# Altium PCB Main_PCB.PcbDoc (part 2 of 2)
Units mm, origin at the board's own origin, x right, y up, seen from the top; angles counter-clockwise.
Board outline 92.5 x 80 mm, 2 copper layers (Top Layer, Bottom Layer), stack 1.57 mm thick; 102 components, 53 nets, 370 pads, 369 vias.
Unrouted connection lines stored in the file: 74.
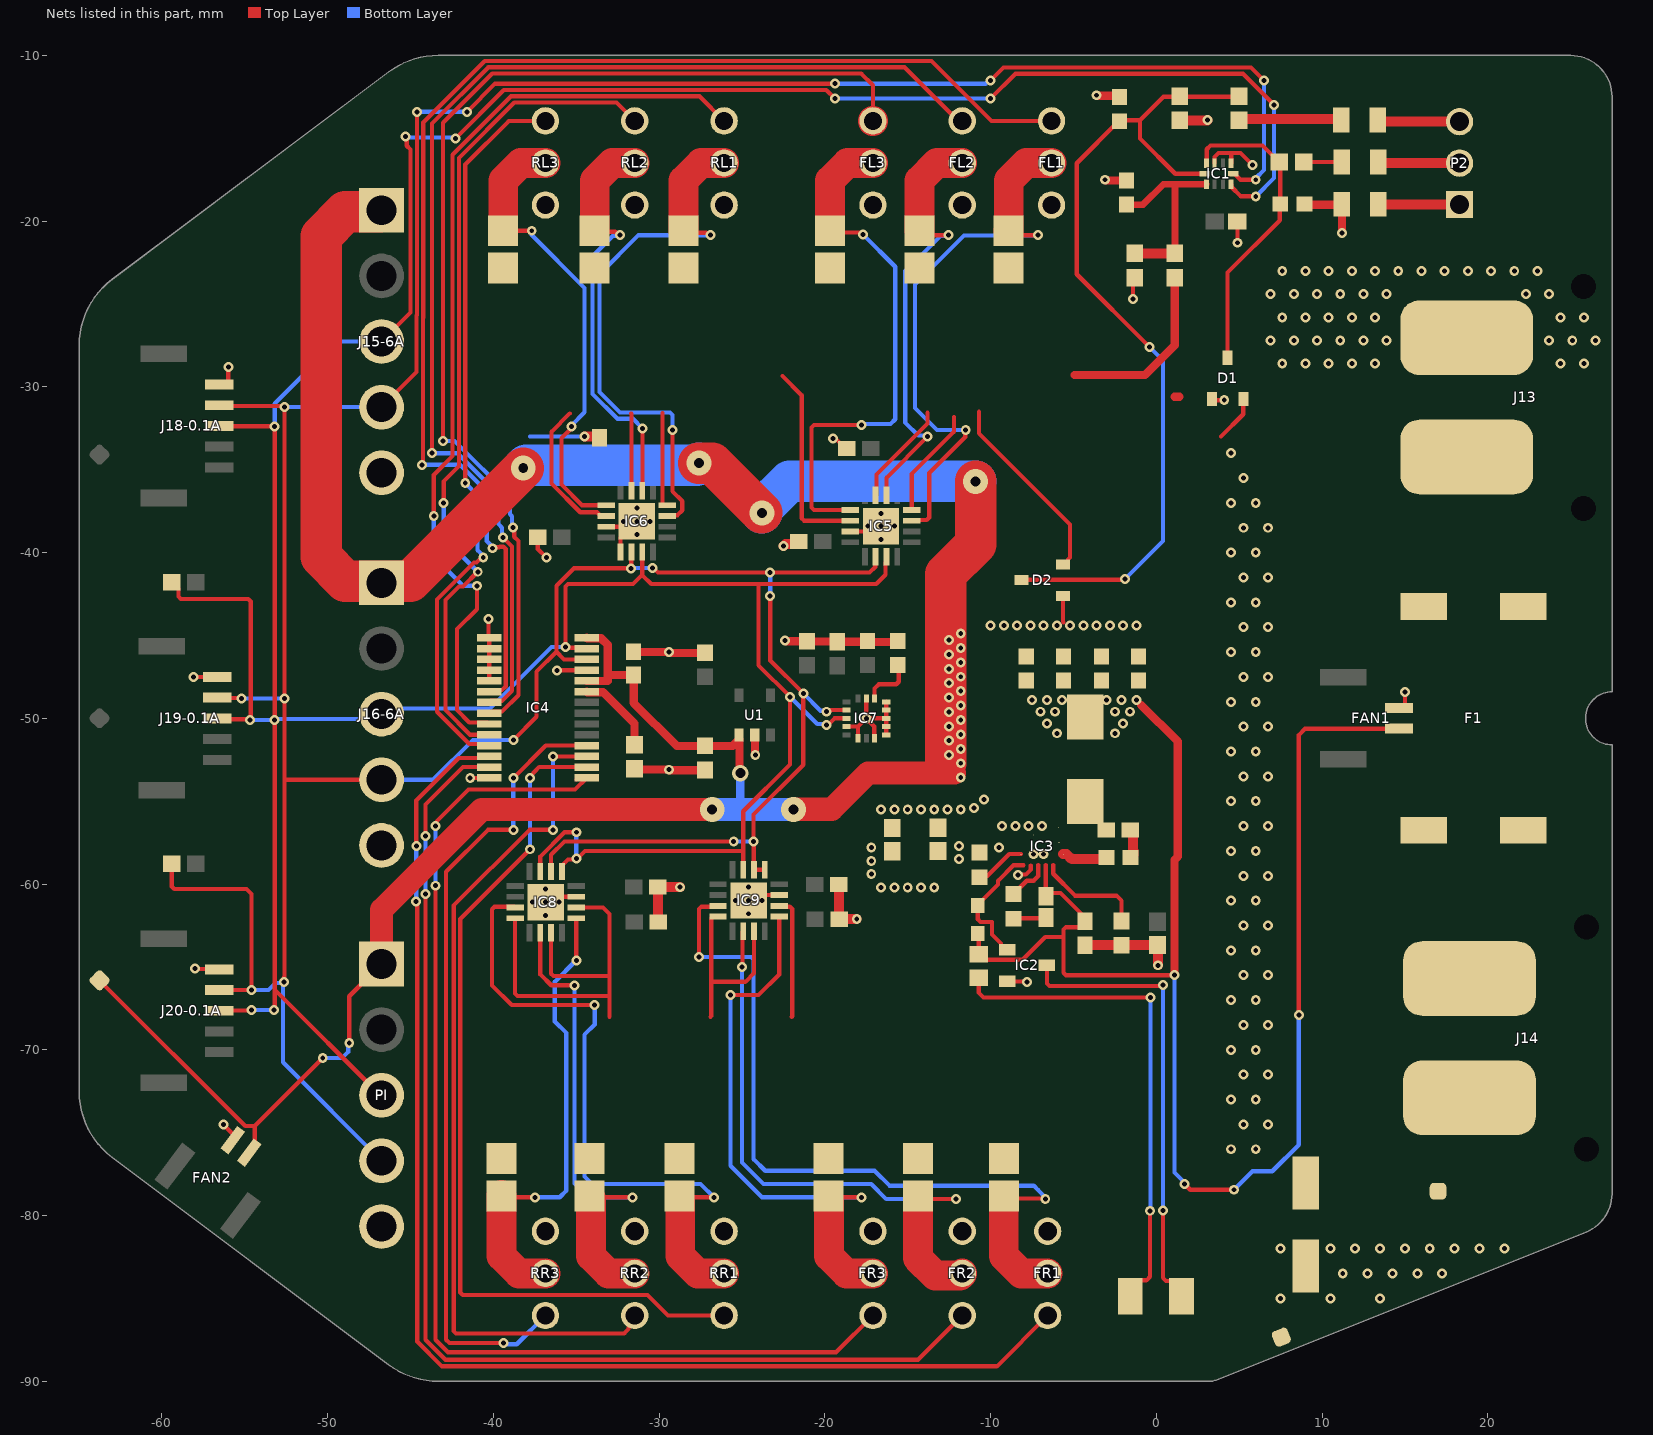
[diagram p2: the nets of this part, all layers, seen from the top]

## Via types
v1: diameter 0.6, hole 0.3, Top Layer to Bottom Layer, 339 vias
v2: diameter 0.6, hole 0.3, Top Layer to Bottom Layer, tented both sides, 23 vias
v3: diameter 1.5, hole 0.6, Top Layer to Bottom Layer, 6 vias
v4: diameter 1, hole 0.6, Top Layer to Bottom Layer, 1 vias

## Nets (pads, with @x,y where several pads share a name; then routed paths per layer and width w, separated by ;. In a path a pad name is that pad's centre, name@x,y a point inside that pad or via, vN(x,y) a via of type N, cw(c..) or ccw(c..) an arc to the next point about the centre after c; other vN are vias at no path point) (continued)
5V_OUT: 5V.1 C1.2 C2.1 C6.2 C7.2 C8.2 C9.2 C17.1 C21.1 FAN1.1 FAN2.1 IC3.10 IC4.24 IC4.28 J15-6A.1 J16-6A.1 L1.1 PI.1 R1.2 R3.2 U1.1 | length 268.4
  Top Layer w0.254: 5V.1@-63.768,-65.812 -54.98,-74.6 -54.4,-74.6 ; FAN2.1@-54.731,-76.206 -54.4,-75.875 -54.4,-74.6 ; v1(-50.3,-70.5) -54.4,-74.6 ; v1(-48.7,-69.6) -48.7,-66.77 PI.1@-46.75,-64.82 ; R3.2@-10.77,-62.99 -10.72,-63.04 R1.2@-10.72,-64.24 -10.396,-64.564 -8.064,-64.564 -6.7,-63.2 -5.6,-63.2 ; -6.671,-58.844 -6.671,-60.512 -6.65,-60.533 -5.777,-60.533 -4.298,-62.012 -4.298,-62.221 -4.677,-62.6 -5.451,-62.6 -5.6,-62.749 -5.6,-63.2 ; C6.2@-1.007,-47.918 C6.2@-1.007,-47.895 ; v1(1.1,-65.5) -5.451,-65.5 -5.6,-65.351 -5.6,-63.2 ; v1(1.7,-78.1) 2.046,-78.446 v1(4.69,-78.446) ; v1(8.6,-67.9) 8.6,-51 8.975,-50.625 FAN1.1@14.641,-50.625
  Top Layer w0.5: IC4.24@-34.371,-47.741 -33.1,-47.741 ; IC4.28@-34.371,-45.141 -34.346,-45.166 -33.5,-45.166 -33.1,-45.566 -33.1,-47.3 ; -33.1,-47.7 -33.1,-47.3 ; U1.1@-25.18,-51.28 -25.563,-51.663 C21.1@-27.239,-51.663 -28.937,-51.663 -31.538,-49.062 C17.1@-31.538,-47.386 -33.014,-47.386 -33.1,-47.3 ; U1.1@-25.155,-51.28 -25.155,-53.245 v4(-25.1,-53.3) ; v1@-12.546,-50.499 v1@-12.533,-50.486 ; -0.911,-49.189 1.3,-51.4 1.3,-58.336 1.1,-58.536 v1(1.1,-65.5)
  Top Layer w1.4: PI.1@-46.75,-64.82 -46.75,-61.55 -40.7,-55.5 v3(-26.8,-55.5) ; v3(-21.9,-55.5) -21.881,-55.481 -19.581,-55.481 -17.4,-53.3 -12.174,-53.3
  Top Layer w2.5: J15-6A.1@-46.75,-19.34 -46.85,-19.44 -48.936,-19.44 -50.4,-20.904 -50.4,-40.261 -48.936,-41.725 -46.85,-41.725 J16-6A.1@-46.75,-41.825 -46.65,-41.725 -45.025,-41.725 v3(-38.2,-34.9) ; v3(-27.6,-34.6) -26.8,-34.6 v3(-23.8,-37.6) ; -12.7,-52.7 -12.7,-41.29 -10.9,-39.49 v3(-10.9,-35.7)
  Bottom Layer w0.254: v1(-50.3,-70.5) -49.141,-70.5 -48.766,-70.125 -48.766,-69.666 v1(-48.7,-69.6) ; v1(1.1,-65.5) 1.1,-77.406 1.7,-78.006 v1(1.7,-78.1) ; v1(4.69,-78.446) 5.806,-77.33 6.996,-77.33 8.6,-75.726 v1(8.6,-67.9)
  Bottom Layer w0.5: -25.1,-55.5 v4(-25.1,-53.3)
  Bottom Layer w1.4: v3(-26.8,-55.5) -25.1,-55.5 v3(-21.9,-55.5)
  Bottom Layer w2.5: v3(-38.2,-34.9) -38.023,-34.723 -27.723,-34.723 v3(-27.6,-34.6) ; v3(-23.8,-37.6) -23.8,-37.364 -22.136,-35.7 v3(-10.9,-35.7)
  other v1: -11.8,-53.58 -11.8,-52.71 -12.5,-52.213 -11.8,-51.84 -12.5,-51.347 -11.8,-50.97 -6,-50.9 -2.5,-50.9 -12.5,-50.48 -6.6,-50.3 -2,-50.3 -11.8,-50.1 -12.5,-49.613 -7,-49.6 -6.1,-49.6 -2.5,-49.6 -1.6,-49.6 -11.8,-49.23 -7.5,-48.9 -6.6,-48.9 -5.7,-48.9 -3,-48.9 -2.1,-48.9 -1.2,-48.9 -12.5,-48.747 -11.8,-48.36 -12.5,-47.88 -11.8,-47.49 -12.5,-47.013 -11.8,-46.62 -12.5,-46.147 -11.8,-45.75 -12.5,-45.28 -11.8,-44.88
ADC_Batt_Cell1: C10.1 D1.3 IC1.4 R18.2 | length 18.9
  Top Layer w0.254: IC1.4@3.02,-16.5 3.043,-16.477 3.043,-15.657 3.271,-15.429 6.407,-15.429 7.408,-16.43 R18.2@7.432,-16.43 ; D1.3@4.299,-28.239 4.299,-23.101 7.455,-19.945 C10.1@7.455,-18.969 ; C10.1@7.427,-18.969 7.475,-18.921 R18.2@7.475,-16.43
ADC_Batt_Cell2: C11.1 D2.3 IC1.5 R23.1 R25.1 | length 51.9
  Top Layer w0.254: D2.3@-8.125,-41.66 -8.095,-41.63 -1.93,-41.63 v1(-1.9,-41.6) ; v1(-0.4,-27.6) -4.8,-23.2 -4.8,-16.5 -2.21,-13.91 -2.21,-13.887 -2.186,-13.911 -0.99,-13.911 ; IC1.5@2.91,-17.14 1.14,-17.14 -0.99,-15.01 -0.99,-13.911 ; R23.1@4.98,-12.58 4.89,-12.49 1.414,-12.49 0.431,-12.49 -0.99,-13.911
  Bottom Layer w0.254: v1(-1.9,-41.6) 0.4,-39.3 0.4,-28.4 v1(-0.4,-27.6)
ADC_Batt_Overall: C12.1 IC1.6 R22.1 R24.1 | length 11.9
  Top Layer w0.4: C12.1@-1.79,-18.997 -0.797,-18.997 0.42,-17.78 1.13,-17.78 ; R22.1@1.11,-21.949 1.13,-21.929 1.13,-17.78 ; IC1.6@3.02,-17.78 1.13,-17.78
  Top Layer w0.6: R24.1@-1.3,-21.949 R22.1@1.11,-21.949
CurrMon_1-: FL1.2 IC5.11 R2.1 | length 35.6
  Top Layer w0.254: IC5.11@-14.762,-38.071 -14.714,-38.023 -13.849,-38.023 -13.7,-37.874 -13.7,-35.2 -11.528,-33.028 -11.528,-32.628 v1(-11.5,-32.6) ; R2.1@-8.872,-20.843 v1(-7.152,-20.843) ; FL1.2@-7.013,-16.273 -6.534,-16.273 FL1.2@-6.321,-16.487
  Top Layer w1.8: R2.1@-8.91,-20.58 -8.907,-20.577 -8.907,-17.541 -7.852,-16.487 FL1.2@-6.321,-16.487
  Bottom Layer w0.254: v1(-11.5,-32.6) -13.231,-32.6 -14.554,-31.277 -14.554,-23.814 -11.598,-20.858 v1@-7.164,-20.858
CurrMon_2-: FL2.2 IC5.14 R4.1 | length 26.6
  Top Layer w0.254: IC5.14@-16.287,-36.546 -16.287,-35.487 v1(-13.8,-33) ; R4.1@-14.26,-20.844 v1(-12.54,-20.844)
  Top Layer w1.8: R4.1@-14.3,-20.58 -14.297,-20.577 -14.297,-17.541 -13.242,-16.487 FL2.2@-11.71,-16.487
  Bottom Layer w0.254: v1(-13.8,-33) -13.866,-32.934 -14.366,-32.934 -15.154,-32.146 -15.154,-23.014 -13.029,-20.889 -12.641,-20.889 v1@-12.607,-20.855
CurrMon_3-: FL3.2 IC5.1 R5.1 | length 32.6
  Top Layer w0.254: R5.1@-19.687,-20.58 -19.593,-20.674 -17.92,-20.674 -17.794,-20.8 v1(-17.7,-20.8) ; IC5.1@-18.462,-37.421 -20.651,-37.421 -20.8,-37.272 -20.8,-32.449 -20.651,-32.3 v1(-17.8,-32.3)
  Top Layer w1.8: R5.1@-19.687,-20.58 -19.684,-20.577 -19.684,-17.541 -18.629,-16.487 FL3.2@-17.1,-16.487
  Bottom Layer w0.254: v1(-17.8,-32.3) -17.734,-32.234 -16.034,-32.234 -15.754,-31.954 -15.754,-22.746 v1(-17.7,-20.8)
CurrMon_4-: IC6.11 R6.1 RL1.2 | length 34.5
  Top Layer w0.254: IC6.11@-29.501,-37.788 -29.453,-37.74 -28.9,-37.74 -28.6,-37.44 -28.6,-36.9 -29.2,-36.3 v1@-29.2,-32.606 ; R6.1@-28.54,-20.58 -28.427,-20.693 -27.155,-20.693 -27.004,-20.844 v1(-26.91,-20.844)
  Top Layer w1.8: R6.1@-28.54,-20.58 -28.537,-20.577 -28.537,-17.541 -27.482,-16.487 RL1.2@-26.081,-16.487
  Bottom Layer w0.254: v1(-29.2,-32.6) -29.2,-31.687 -29.349,-31.538 -32.362,-31.538 -33.6,-30.3 -33.6,-23.2 -31.244,-20.844 v1(-26.91,-20.844)
CurrMon_5-: IC6.14 R7.1 RL2.2 | length 25.7
  Top Layer w0.254: R7.1@-33.89,-20.58 -33.83,-20.64 -32.648,-20.64 -32.447,-20.841 v1(-32.353,-20.841) ; IC6.14@-31.026,-36.263 -31.013,-36.25 -31.013,-32.513 v1(-31,-32.5)
  Top Layer w1.8: R7.1@-33.89,-20.58 -33.887,-20.577 -33.887,-17.541 -32.832,-16.487 RL2.2@-31.47,-16.487
  Bottom Layer w0.254: v1(-32.353,-20.841) -32.387,-20.875 -32.775,-20.875 -34.019,-22.119 -34.019,-30.42 -32.52,-31.919 -31.581,-31.919 v1(-31,-32.5)
CurrMon_6-: IC6.1 R8.1 RL3.2 | length 27.9
  Top Layer w0.254: R8.1@-39.407,-20.577 v1(-37.687,-20.577) ; v1(-35.3,-32.4) -35.3,-32.494 -35.9,-33.094 -35.9,-35.889 -34.651,-37.138 IC6.1@-33.201,-37.138
  Top Layer w1.8: R8.1@-39.41,-20.58 R8.1@-39.407,-20.577 ; R8.1@-39.407,-20.553 -39.407,-17.541 -38.352,-16.487 RL3.2@-36.86,-16.487
  Bottom Layer w0.254: v1@-37.687,-20.841 -34.5,-24.028 -34.5,-31.526 -35.3,-32.326 v1(-35.3,-32.4)
CurrMon_7-: FR1.2 IC9.11 R9.1 | length 47.2
  Top Layer w0.254: v1(-27.6,-64.4) -27.6,-61.512 -27.451,-61.363 -26.498,-61.363 IC9.11@-26.45,-61.315 ; R9.1@-8.997,-78.978 -6.722,-78.978 v1(-6.7,-79)
  Top Layer w1.8: R9.1@-9.203,-78.843 -9.203,-82.439 -8.148,-83.493 FR1.2@-6.556,-83.493
  Bottom Layer w0.254: v1(-27.6,-64.4) -24.449,-64.4 -24.3,-64.549 -24.3,-76.6 -23.6,-77.3 -17,-77.3 -16.1,-78.2 -7.394,-78.2 -7.114,-78.48 -7.114,-78.492 -6.7,-78.906 v1(-6.7,-79)
CurrMon_8-: FR2.2 IC9.14 R10.1 | length 36.9
  Top Layer w0.254: v1(-25,-65) -24.962,-64.962 -24.962,-62.878 IC9.14@-24.925,-62.84 ; R10.1@-14.206,-78.968 -14.174,-79 v1(-12.1,-79)
  Top Layer w1.8: R10.1@-14.39,-78.816 -14.39,-82.573 -13.336,-83.627 -11.844,-83.627 FR2.2@-11.71,-83.493
  Bottom Layer w0.254: v1(-25,-65) -25,-76.8 -23.7,-78.1 -17.2,-78.1 -16.3,-79 v1(-12.1,-79)
CurrMon_9-: FR3.2 IC9.1 R11.1 | length 34.3
  Top Layer w0.254: v1(-25.7,-66.7) -24,-66.7 -22.75,-65.45 IC9.1@-22.75,-61.965 ; R11.1@-19.582,-78.992 -19.491,-78.9 v1(-17.8,-78.9)
  Top Layer w1.8: R11.1@-19.747,-79.001 -19.747,-82.439 -18.692,-83.493 FR3.2@-17.1,-83.493
  Bottom Layer w0.254: v1(-25.7,-66.7) -25.7,-77 -23.8,-78.9 v1(-17.8,-78.9)
CurrMon_10-: IC8.11 R12.1 RR1.2 | length 40
  Top Layer w0.254: IC8.11@-38.743,-61.367 -39.933,-61.367 -40.081,-61.516 -40.081,-66.119 -38.898,-67.302 v1(-33.9,-67.302) ; R12.1@-28.576,-78.968 -28.508,-78.9 v1(-26.7,-78.9)
  Top Layer w1.8: R12.1@-28.727,-79.001 -28.727,-82.439 -27.673,-83.493 RR1.2@-26.081,-83.493
  Bottom Layer w0.254: v1(-33.9,-67.302) -33.887,-67.315 -33.887,-68.474 -34.5,-69.087 -34.5,-77.654 -34.054,-78.1 -27.5,-78.1 v1(-26.7,-78.9)
CurrMon_11-: IC8.14 R13.1 RR2.2 | length 29.6
  Top Layer w0.254: IC8.14@-37.17,-62.94 -37.17,-65.452 -36.514,-66.108 v1(-35.1,-66.108) ; R13.1@-34.034,-78.941 -33.993,-78.9 v1(-31.6,-78.9)
  Top Layer w1.8: R13.1@-34.117,-79.001 -34.117,-82.439 -33.063,-83.493 RR2.2@-31.47,-83.493
  Bottom Layer w0.254: v1(-35.1,-66.108) -35.1,-78.066 -34.266,-78.9 v1(-31.6,-78.9)
CurrMon_12-: IC8.1 R14.1 RR3.2 | length 28.3
  Top Layer w0.254: R14.1@-39.507,-79.001 -39.294,-79.001 -39.193,-78.9 v1(-37.5,-78.9) ; v1(-35,-64.6) -35,-62.07 IC8.1@-34.995,-62.065
  Top Layer w1.8: R14.1@-39.51,-78.76 -39.507,-78.763 R14.1@-39.507,-79.001 ; R14.1@-39.507,-78.843 -39.507,-82.439 -38.452,-83.493 RR3.2@-36.86,-83.493
  Bottom Layer w0.254: v1(-37.5,-78.9) -36,-78.9 -35.6,-78.5 -35.6,-68.987 -36.3,-68.287 -36.3,-65.9 v1(-35,-64.6)
GND: C2.2 C3.2 C4.1 C5.1 C6.1 C7.1 C8.1 C9.1 C10.2 C11.2 C12.2 C14.2 C15.2 C16.1 C17.2 C18.1 C19.2 C20.1 C21.2 C22.1 C23.1 C24.1 C25.2 C26.2 C27.1 C28.2 C29.1 C30.1 C31.1 D1.1 D2.1 F2.2 FAN1.2 FAN2.2 FL1.3 FL2.3 FL3.3 FR1.3 FR2.3 FR3.3 GND_TP.1 IC1.1 IC1.3 IC2.2 IC3.4 IC3.8 IC4.1 IC4.2 IC4.3 IC4.4 IC4.5 IC4.14 IC4.25 IC5.3 IC5.17 IC6.3 IC6.5 IC6.17 IC7.4 IC7.6 IC7.8 IC7.9 IC7.10 IC7.11 IC7.12 IC7.13 IC7.15 IC8.3 IC8.17 IC9.3 IC9.17 J13.- J15-6A.5 J16-6A.5 J18-0.1A.5 J19-0.1A.5 J20-0.1A.5 PI.5 R21.2 R24.2 R25.2 RL1.3 RL2.3 RL3.3 RR1.3 RR2.3 RR3.3 U1.2 | length 86.3
  Top Layer w0.127: C5.1@0.071,-63.68 C5.1@0.1,-63.709
  Top Layer w0.254: v1(-58.1,-47.5) J19-0.1A.5@-56.665,-47.5 ; v1(-58,-65.1) -57.978,-65.122 -56.573,-65.122 J20-0.1A.5@-56.55,-65.145 ; J18-0.1A.5@-56.55,-29.855 -56.173,-29.855 -56,-29.682 v1(-56,-28.8) ; v1(-56.3,-74.5) -55.73,-75.07 FAN2.2@-55.73,-75.454 ; v1(-41.4,-53.6) -41.396,-53.596 -40.251,-53.596 IC4.14@-40.247,-53.591 ; v1(-40.3,-44) -40.3,-45.088 IC4.1@-40.247,-45.141 IC4.2@-40.247,-45.791 IC4.3@-40.247,-46.441 IC4.4@-40.247,-47.091 IC4.5@-40.247,-47.741 ; C20.1@-37.326,-39.075 -37.326,-39.774 v1(-36.8,-40.3) ; v2(-36.845,-61.09) -36.52,-60.765 IC8.3@-34.995,-60.765 ; v1(-36.154,-47.1) -36.15,-47.096 -34.375,-47.096 IC4.25@-34.371,-47.091 ; IC6.3@-33.201,-38.438 IC6.17@-32.324,-38.438 ; IC6.5@-32.326,-39.963 -32.324,-39.961 -32.324,-39.086 -31.676,-38.438 IC6.17@-32.151,-38.438 ; IC6.17@-32.151,-38.265 v2(-32.151,-38.113) ; v2(-24.6,-60.99) -24.275,-60.665 IC9.3@-22.75,-60.665 ; v1(-19.5,-33.1) -19.434,-33.166 -19.301,-33.166 -18.757,-33.71 C18.1@-18.685,-33.71 ; IC7.4@-18.7,-50.5 -18,-50.5 ; IC5.3@-18.462,-38.721 IC5.17@-17.585,-38.721 ; IC7.6@-18,-51.2 -18,-50.5 ; IC7.15@-17.5,-48.8 v1(-17.5,-50) ; IC7.8@-17,-51.2 -17.023,-51.177 -17.023,-50.486 -17.5,-50.009 v1(-17.5,-50) ; IC7.9@-16.3,-51 IC7.11@-16.3,-50 ; IC7.13@-16.3,-49 IC7.11@-16.3,-50 ; IC2.2@-9,-65.86 -8.98,-65.88 -7.82,-65.88 v1(-7.8,-65.9) ; v1(-8.334,-59.457) -8.292,-59.415 -7.873,-59.415 -7.572,-59.114 -7.572,-58.88 ; D2.1@-5.625,-42.61 -5.625,-44.175 -5.6,-44.2 ; v1(-1.4,-24.7) -1.4,-23.5 R24.2@-1.3,-23.4 ; D1.1@3.349,-30.739 3.41,-30.8 v1(4.1,-30.8) ; IC1.3@3.52,-16.5 3.52,-16.123 3.76,-15.883 4.52,-15.883 ; IC1.1@4.52,-16.5 4.52,-15.883 ; C4.1@4.876,-20.025 4.9,-20.049 v1(4.9,-21.3) ; v1(5.8,-16.6) 5.083,-15.883 4.52,-15.883 ; FAN1.2@14.641,-49.375 14.827,-49.375 15,-49.202 v1(15,-48.4) ; -18,-50.5 v1(-17.5,-50) ; v1(-17.5,-50) IC7.11@-16.3,-50
  Top Layer w0.5: C17.2@-31.538,-45.982 -31.529,-45.991 -29.409,-45.991 v1(-29.4,-46) ; R21.2@-31.491,-53.038 -31.448,-53.081 -29.419,-53.081 v1(-29.4,-53.1) ; v1@-29.45,-46.058 -27.263,-46.058 C19.2@-27.239,-46.035 ; v1@-29.379,-53.126 -27.251,-53.126 C21.2@-27.239,-53.114 ; U1.2@-24.23,-51 -24.215,-51.015 -24.215,-52.185 v1(-24.2,-52.2) ; v1(-22.4,-45.3) -22.373,-45.3 -22.327,-45.346 -21.303,-45.346 -21.279,-45.37 -21.074,-45.37 C28.2@-21.063,-45.358 ; -21.563,-45.358 -19.331,-45.358 -19.319,-45.347 -19.296,-45.369 -17.063,-45.369 -17.04,-45.392 C24.1@-15.6,-45.392 ; v1(-3.6,-12.4) -3.573,-12.4 -3.54,-12.433 C11.2@-2.21,-12.433 ; v1(-3.1,-17.5) -3.073,-17.5 -3.03,-17.543 C12.2@-1.79,-17.543 ; C10.2@8.88,-19 11.175,-19 F2.2@11.2,-18.975 v1(11.2,-20.7)
  Top Layer w0.6: v1(-34.5,-33) -33.756,-33 -33.682,-33.075 C23.1@-33.6,-33.075 ; C30.1@-30.039,-62.29 C30.1@-30.049,-62.3 -30.071,-62.278 -30.071,-60.208 C27.1@-30.092,-60.186 -28.743,-60.186 v1(-28.739,-60.19) ; v1(-22.5,-39.6) -22.373,-39.473 -21.813,-39.473 -21.673,-39.333 C22.1@-21.673,-39.3 ; C31.1@-19.159,-60.026 -19.152,-60.033 -19.152,-62.113 C29.1@-19.145,-62.12 v2(-18.077,-62.12) ; C2.2@-4.298,-63.685 C3.2@-2.106,-63.685 ; C3.2@-2.106,-63.685 -2.1,-63.68 C5.1@0.071,-63.68 ; v1(0.1,-64.9) C5.1@0.1,-63.709 ; R25.2@1.414,-13.921 3.079,-13.921 v1(3.1,-13.9)
  Bottom Layer w0.254: -37.8,-33 v1(-34.5,-33)
  other v1: 7.5,-85 10.5,-85 13.5,-85 11.25,-83.5 12.75,-83.5 14.25,-83.5 15.75,-83.5 17.25,-83.5 7.5,-82 10.5,-82 12,-82 13.5,-82 15,-82 16.5,-82 18,-82 19.5,-82 21,-82 -9.3,-56.5 -8.5,-56.5 -7.7,-56.5 -6.9,-56.5 -16.6,-55.5 -15.8,-55.5 -15,-55.5 -14.2,-55.5 -13.4,-55.5 -12.6,-55.5 -11.8,-55.5 -11,-55.4 -10.4,-54.9 -10,-44.4 -9.2,-44.4 -8.4,-44.4 -7.6,-44.4 -6.8,-44.4 -6,-44.4 -5.2,-44.4 -4.4,-44.4 -3.6,-44.4 -2.8,-44.4 -2,-44.4 -1.2,-44.4 7.6,-28.6 9,-28.6 10.4,-28.6 11.8,-28.6 13.2,-28.6 24.4,-28.6 25.8,-28.6 6.9,-27.2 8.3,-27.2 9.7,-27.2 11.1,-27.2 12.5,-27.2 13.9,-27.2 23.7,-27.2 25.1,-27.2 26.5,-27.2 7.6,-25.8 9,-25.8 10.4,-25.8 11.8,-25.8 13.2,-25.8 24.4,-25.8 25.8,-25.8 6.9,-24.4 8.3,-24.4 9.7,-24.4 11.1,-24.4 12.5,-24.4 13.9,-24.4 22.3,-24.4 23.7,-24.4 7.6,-23 9,-23 10.4,-23 11.8,-23 13.2,-23 14.6,-23 16,-23 17.4,-23 18.8,-23 20.2,-23 21.6,-23 23,-23
  other v2: -36.845,-61.89 -24.6,-61.79 -37.645,-61.09 -36.045,-61.09 -25.4,-60.99 -23.8,-60.99 -36.845,-60.29 -24.6,-60.19 -16.612,-39.196 -31.351,-38.913 -17.412,-38.396 -16.612,-38.396 -15.812,-38.396 -31.351,-38.113 -30.551,-38.113 -16.612,-37.627 -31.351,-37.313
I2C_SCL: IC1.10 IC4.26 IC5.6 IC6.6 IC7.2 IC8.6 IC9.5 IC9.6 J15-6A.4 J16-6A.4 J18-0.1A.4 J19-0.1A.4 J20-0.1A.4 PI.4 R26.1 | length 243.3
  Top Layer w0.254: R26.1@-59.412,-58.783 -59.412,-60.151 -59.263,-60.3 -54.9,-60.3 -54.6,-60.6 v1(-54.6,-66.4) -54.602,-66.397 -56.548,-66.397 J20-0.1A.4@-56.55,-66.395 ; J19-0.1A.4@-56.665,-48.75 -56.64,-48.775 -55.225,-48.775 v1(-55.2,-48.8) ; J18-0.1A.4@-56.55,-31.105 -56.503,-31.153 -52.647,-31.153 v1(-52.6,-31.2) v1(-52.6,-48.8) -52.6,-53.7 ; v1(-52.646,-65.9) -52.634,-65.888 -52.634,-65.612 -52.6,-65.578 -52.6,-53.7 ; J16-6A.4@-46.75,-53.705 -52.595,-53.705 -52.6,-53.7 ; J15-6A.4@-46.75,-31.22 -44.635,-29.105 -44.635,-25.684 -44.619,-25.668 -44.619,-13.419 v1(-44.6,-13.4) ; v1(-41.6,-13.4) -39.9,-11.7 v1(-19.4,-11.7) ; v1(-38.8,-51.3) -37.4,-49.9 -37.4,-47.183 -36.2,-45.983 ; IC8.6@-36.52,-59.24 -36.52,-58.227 -35.72,-57.427 v1(-25.5,-57.427) ; IC4.26@-34.371,-46.441 -35.742,-46.441 -36.2,-45.983 ; v1(-31.7,-40.946) -35.146,-40.946 -36.2,-42 -36.2,-45.983 ; v1@-31.688,-40.946 -31.688,-39.975 IC6.6@-31.676,-39.963 ; v1(-30.4,-40.915) -30.36,-40.915 -30.074,-41.2 v1(-23.3,-41.2) -17.3,-41.2 -16.962,-40.862 -16.962,-40.271 IC5.6@-16.937,-40.246 ; v1(-24.3,-57.427) -24.3,-55.8 -21.3,-52.8 v1(-21.3,-48.5) -23.298,-46.502 v1(-23.298,-42.613) ; v1@-24.287,-57.427 -24.287,-59.128 IC9.6@-24.275,-59.14 IC9.5@-23.625,-59.14 ; v1(-19.9,-49.6) -19.819,-49.6 -19.719,-49.5 IC7.2@-18.7,-49.5 ; v1(-10,-11.5) -9.219,-10.719 5.719,-10.719 v1(6.5,-11.5) ; IC1.10@4.63,-17.14 4.72,-17.14 5.08,-17.5 v1(6,-17.5)
  Bottom Layer w0.254: v1(-55.2,-48.8) v1(-52.6,-48.8) ; v1(-54.6,-66.4) -53.571,-66.4 -53.137,-65.966 -52.712,-65.966 v1(-52.646,-65.9) ; v1@-52.7,-65.9 -52.7,-70.75 PI.4@-46.75,-76.7 ; v1(-52.6,-31.2) -52.58,-31.22 J15-6A.4@-46.75,-31.22 ; J16-6A.4@-46.753,-53.702 J16-6A.4@-46.75,-53.705 -43.643,-53.705 -41.238,-51.3 v1(-38.8,-51.3) ; v1(-44.6,-13.4) v1(-41.6,-13.4) ; v1(-31.7,-40.946) -31.684,-40.93 -30.416,-40.93 v1(-30.4,-40.915) ; v1(-25.5,-57.427) v1(-24.3,-57.427) ; v1(-23.3,-41.2) -23.299,-41.201 v1(-23.298,-42.613) v1(-23.298,-42.613) ; v1(-21.3,-48.5) -20.257,-49.543 -19.957,-49.543 v1(-19.9,-49.6) ; v1(-19.4,-11.7) -10.294,-11.7 -10.094,-11.5 v1(-10,-11.5) ; v1(6,-17.5) 6,-17.406 6.5,-16.906 v1(6.5,-11.5)
I2C_SDA: IC1.9 IC4.27 IC5.7 IC6.7 IC7.3 IC8.5 IC8.7 IC9.7 J15-6A.3 J16-6A.3 J18-0.1A.3 J19-0.1A.3 J20-0.1A.3 PI.3 R27.1 | length 239.8
  Top Layer w0.254: R27.1@-59.412,-41.792 -59.387,-41.792 -59.011,-42.168 -59.011,-42.651 -58.863,-42.8 -54.795,-42.8 -54.646,-42.949 -54.646,-50.046 v1(-54.7,-50.1) -54.75,-50.05 -56.615,-50.05 J19-0.1A.3@-56.665,-50 ; J20-0.1A.3@-56.55,-67.645 -56.527,-67.622 -54.622,-67.622 v1(-54.6,-67.6) ; J18-0.1A.3@-56.55,-32.355 -56.528,-32.378 -53.222,-32.378 v1(-53.2,-32.4) v1(-53.2,-50.1) -53.2,-66.367 ; v1(-53.254,-67.6) -53.2,-67.546 -53.2,-66.367 ; PI.3@-46.75,-72.74 -46.827,-72.74 -53.2,-66.367 ; J15-6A.3@-46.75,-27.26 -45,-25.51 -45,-15.678 -45.234,-15.444 -45.234,-14.966 v1(-45.3,-14.9) ; v1(-42.3,-15) -39.381,-12.081 -19.919,-12.081 v1(-19.4,-12.6) ; IC8.7@-37.17,-59.24 -37.17,-58.339 -35.704,-56.873 v1(-35,-56.873) ; IC8.5@-35.87,-59.24 -35.822,-59.192 -35.822,-58.842 -35.5,-58.52 -35.066,-58.52 v1(-35,-58.454) -34.932,-58.454 -34.478,-58 -24.925,-58 ; v1@-35.654,-45.746 -34.416,-45.746 IC4.27@-34.371,-45.791 ; v1(-35.646,-45.7) -35.646,-42.049 -35.497,-41.9 -31.574,-41.9 -31.026,-41.351 ; IC6.7@-31.026,-39.963 -31.026,-41.351 ; IC9.7@-24.925,-59.14 -24.925,-58 ; v1(-22.114,-48.714) -22.114,-48.686 -24,-46.8 -24,-41.9 ; v1@-22.1,-48.714 -22.1,-52.779 -24.925,-55.604 -24.925,-58 ; v1(-19.9,-50.4) -19.819,-50.4 -19.419,-50 IC7.3@-18.7,-50 ; IC5.7@-16.335,-40.596 -16.335,-41.335 -16.9,-41.9 -24,-41.9 ; v1(-10,-12.6) -8.5,-11.1 5.223,-11.1 7.1,-12.977 v1(7.1,-13) ; IC1.9@4.52,-17.78 4.52,-17.92 5.1,-18.5 v1(6,-18.5) ; -31.026,-41.351 -30.477,-41.9 -24,-41.9
  Bottom Layer w0.254: v1(-54.7,-50.1) v1(-53.2,-50.1) -53.134,-50.034 -47.039,-50.034 -46.405,-49.4 -40.2,-49.4 -36.5,-45.7 v1(-35.646,-45.7) ; v1(-54.6,-67.6) v1(-53.254,-67.6) ; v1(-53.2,-32.4) -53.2,-31.017 -49.443,-27.26 J15-6A.3@-46.75,-27.26 ; v1(-45.3,-14.9) -45.25,-14.95 -42.35,-14.95 v1(-42.3,-15) ; v1(-35,-58.454) v1(-35,-56.873) ; v1(-22.114,-48.714) -22.086,-48.714 -20.457,-50.343 -19.957,-50.343 v1(-19.9,-50.4) ; v1(-19.4,-12.6) v1(-10,-12.6) ; v1(6,-18.5) 7.1,-17.4 v1(7.1,-13)
NetC1_1: C1.1 R15.2 | length 2
  Top Layer w0.254: R15.2@-8.612,-62.066 -6.803,-62.066 C1.1@-6.65,-61.914
NetC3_1: C3.1 IC3.11 | length 6.5
  Top Layer w0.254: -6.221,-58.844 -6.221,-59.379 -4.9,-60.7 -2.4,-60.7 -2.1,-61 -2.1,-62.128 C3.1@-2.106,-62.134
NetC13_1: C13.1 R16.1 | length 1.9
  Top Layer w0.6: C13.1@-1.637,-56.738 C13.1@-1.565,-56.738 -1.409,-56.894 -1.409,-57.932 -1.371,-57.97 -1.371,-58.251 -1.527,-58.407 R16.1@-1.55,-58.407
NetC13_2: C13.2 IC3.2 IC3.3 L1.2
NetC24_2: C24.2 IC7.14 | length 3.2
  Top Layer w0.254: IC7.14@-17,-48.8 -17,-48.2 -16.743,-47.943 -15.692,-47.943 -15.543,-47.794 C24.2@-15.543,-47.031 ; C24.2@-15.658,-46.842 C24.2@-15.5,-46.684
NetF1_1: F1.1 F1.4 J13.+
NetF1_2: F1.2 F1.3 J14.+
NetF2_1: F2.1 P2.1 | length 4.9
  Top Layer w0.6: F2.1@13.4,-18.975 13.42,-18.995 P2.1@18.3,-18.995 P2.1@18.28,-18.975
NetF3_1: F3.1 P2.2 | length 4.9
  Top Layer w0.6: F3.1@13.37,-16.465 13.4,-16.495 P2.2@18.3,-16.495
NetF3_2: F3.2 R18.1 | length 2.3
  Top Layer w0.254: R18.1@8.883,-16.43 11.197,-16.43 F3.2@11.2,-16.432
NetF4_1: F4.1 P2.3 | length 5
  Top Layer w0.6: F4.1@13.35,-13.89 13.455,-13.995 P2.3@18.3,-13.995
NetF4_2: F4.2 R23.2 | length 6.2
  Top Layer w0.6: R23.2@4.99,-13.821 11.081,-13.821 F4.2@11.15,-13.89
NetIC2_1: IC2.1 IC3.7 R3.1 | length 7.8
  Top Layer w0.254: IC2.1@-9,-63.96 -9.15,-63.96 -9.373,-63.737 -9.373,-63.587 -9.914,-63.046 -9.914,-62.286 -10.605,-62.286 -10.77,-62.121 R3.1@-10.77,-61.29 -10.77,-61.24 -9.556,-60.026 -9.556,-59.806 -8.616,-58.865 IC3.7@-8.015,-58.865
NetIC2_3: IC2.3 POWER.1 | length 27.6
  Top Layer w0.254: IC2.3@-6.6,-64.91 -6.6,-65.997 -6.451,-66.146 0.354,-66.146 v1(0.4,-66.1) ; v1(0.4,-79.7) 0.4,-83.76 0.584,-83.944 0.901,-83.944 1.524,-84.567 POWER.1@1.524,-84.884
  Bottom Layer w0.254: v1(0.4,-79.7) v1(0.4,-66.1)
NetIC3_1: IC3.1 R16.2 | length 2.7
  Top Layer w0.6: -5.621,-58.189 -5.411,-58.189 -5.1,-58.5 -3.157,-58.5 -3.064,-58.407 R16.2@-3.076,-58.394
NetIC3_6: IC3.6 R17.1 | length 2.7
  Top Layer w0.254: R17.1@-10.308,-59.498 -10.183,-59.498 -8.874,-58.189 -8.171,-58.189
NetIC3_9: IC3.9 R15.1 | length 2.6
  Top Layer w0.254: R15.1@-8.612,-60.591 -8.61,-60.591 -7.819,-59.8 -7.4,-59.8 -7.121,-59.521 -7.121,-58.844 ; R15.1@-8.612,-60.316 R15.1@-8.6,-60.304
NetIC4_6: FL1.1 IC4.6 | length 80.1
  Top Layer w0.254: v1(-44.3,-34.7) -44.254,-34.654 -44.254,-25.842 -44.238,-25.826 -44.238,-14.038 -40.527,-10.327 -32.365,-10.327 -13.569,-10.327 -9.949,-13.947 FL1.1@-6.321,-13.947 ; IC4.6@-40.247,-48.391 -40.149,-48.293 -39.477,-48.293 -39.255,-48.071 -39.255,-39.789 -39.404,-39.64 -39.621,-39.64 -39.65,-39.67 -39.998,-39.67 v1(-40.064,-39.736)
  Bottom Layer w0.254: v1(-44.3,-34.7) -42.017,-34.7 -40.4,-36.317 -40.4,-39.306 -40.064,-39.642 v1(-40.064,-39.736)
NetIC4_7: FL2.1 IC4.7 | length 73.5
  Top Layer w0.254: v1(-43.7,-34) -43.7,-14.1 -40.308,-10.708 -32.207,-10.708 -15.192,-10.708 -11.953,-13.947 FL2.1@-11.71,-13.947 ; IC4.7@-40.247,-49.041 -40.149,-48.943 -39.477,-48.943 -38.874,-48.34 -38.874,-39.626 v1(-39.414,-39.086)
  Bottom Layer w0.254: v1(-43.7,-34) -42.178,-34 -39.7,-36.478 -39.7,-38.278 -39.48,-38.497 -39.48,-39.02 v1(-39.414,-39.086)
NetIC4_8: FL3.1 IC4.8 | length 68.7
  Top Layer w0.254: v1(-43.042,-33.258) -43.042,-14.058 -40.072,-11.089 -32.049,-11.089 -17.811,-11.089 -17.1,-11.8 FL3.1@-17.1,-13.947 ; IC4.8@-40.247,-49.691 -40.149,-49.593 -39.477,-49.593 -38.493,-48.609 -38.493,-39.294 -38.748,-39.039 -38.748,-38.552 v1(-38.814,-38.486)
  Top Layer w1.8: FL3.1@-17.111,-13.958 FL3.1@-17.1,-13.947
  Bottom Layer w0.254: v1(-43.042,-33.258) -42.342,-33.258 -39,-36.6 -39,-37.678 -38.873,-37.805 -38.873,-38.427 v1(-38.814,-38.486)
NetIC4_9: IC4.9 RL1.1 | length 56.8
  Top Layer w0.254: v1(-43.6,-37.8) -43.6,-35.309 -42.462,-34.171 -42.462,-15.987 -38.937,-12.462 -27.566,-12.462 RL1.1@-26.081,-13.947 ; v1(-41,-42) -41,-43.414 -42.2,-44.614 -42.2,-49.5 -41.457,-50.243 -40.345,-50.243 IC4.9@-40.247,-50.341
  Bottom Layer w0.254: v1(-43.6,-37.8) -43.6,-40.233 -41.833,-42 v1(-41,-42)
NetIC4_10: IC4.10 RL2.1 | length 51.3
  Top Layer w0.254: v1(-43,-37) -43.002,-36.998 -43.002,-35.702 -42.081,-34.781 -42.081,-16.181 -38.743,-12.843 -32.574,-12.843 RL2.1@-31.47,-13.947 ; v1(-40.945,-41.155) -41.833,-42.044 -42.078,-42.044 -42.9,-42.866 -42.9,-49.5 -41.409,-50.991 -40.338,-50.991 -40.292,-50.946 IC4.10@-40.247,-50.991
  Bottom Layer w0.254: v1(-43,-37) -43,-39.1 v1(-40.945,-41.155)
NetIC4_11: IC4.11 RL3.1 | length 44.7
  Top Layer w0.254: v1(-41.7,-35.8) -41.7,-16.578 -39.069,-13.947 RL3.1@-36.86,-13.947 ; v1(-40.614,-40.286) -40.708,-40.286 -41.023,-40.601 -41.174,-40.601 -43.4,-42.827 -43.4,-49.603 -41.46,-51.543 -40.345,-51.543 IC4.11@-40.247,-51.641
  Bottom Layer w0.254: v1(-41.7,-35.8) -40.954,-36.546 -40.954,-39.852 -40.614,-40.192 v1(-40.614,-40.286)
NetIC4_12: FR1.1 IC4.12 | length 78.2
  Top Layer w0.254: v1@-44.664,-61.058 -44.664,-61.054 -44.6,-61.054 -44.6,-87.6 -43.1,-89.1 -9.623,-89.1 FR1.1@-6.556,-86.033 ; v1(-44.654,-57.7) -44.654,-54.954 -42.089,-52.389 -40.345,-52.389 IC4.12@-40.247,-52.291
  Bottom Layer w0.254: v1@-44.664,-61.058 -44.664,-61.054 -44.654,-61.054 -44.6,-61 -44.6,-60.883 -44.654,-60.829 v1(-44.654,-57.7)
  other v1: -44.664,-61.058
NetIC4_13: FR2.1 IC4.13 | length 71.1
  Top Layer w0.254: v1(-44.1,-60.6) -44.1,-87.5 -42.9,-88.7 -14.377,-88.7 FR2.1@-11.71,-86.033 ; v1(-44.1,-57.1) -44.1,-55.2 -41.841,-52.941 IC4.13@-40.247,-52.941
  Bottom Layer w0.254: v1(-44.1,-60.6) v1(-44.1,-57.1)
NetIC4_15: FR3.1 IC4.15 | length 69.7
  Top Layer w0.254: v1(-43.5,-60.1) -43.5,-87.5 -42.746,-88.254 -19.321,-88.254 FR3.1@-17.1,-86.033 ; v1(-43.5,-56.5) -43.434,-56.434 -43.434,-56.234 -41.5,-54.3 -35.079,-54.3 IC4.15@-34.371,-53.591 -34.883,-53.591 IC4.15@-34.981,-53.689
  Bottom Layer w0.254: v1(-43.5,-60.1) v1(-43.5,-56.5)
NetIC4_16: IC4.16 RR1.1 | length 53
  Top Layer w0.254: v1(-37.8,-57.9) -42,-62.1 -42,-84.651 -41.851,-84.8 -30.7,-84.8 -29.467,-86.033 RR1.1@-26.081,-86.033 ; v1(-37.8,-53.6) -37.8,-53.506 -37.458,-53.165 -37.458,-53.158 -37.241,-52.941 IC4.16@-34.371,-52.941
  Bottom Layer w0.254: v1(-37.8,-57.9) v1(-37.8,-53.6)
NetIC4_17: IC4.17 RR2.1 | length 51.7
  Top Layer w0.254: v1(-36.4,-56.727) -37.827,-56.727 -42.4,-61.3 -42.4,-86.963 -42.251,-87.112 -32.112,-87.112 -31.85,-86.85 -31.85,-86.791 -31.47,-86.411 RR2.1@-31.47,-86.033 ; v1(-36.4,-52.3) -36.396,-52.296 -34.375,-52.296 IC4.17@-34.371,-52.291
  Bottom Layer w0.254: v1(-36.4,-56.727) v1(-36.4,-52.3)
NetIC4_18: IC4.18 RR3.1 | length 48.5
  Top Layer w0.254: v1(-39.4,-87.7) -42.651,-87.7 -42.856,-87.495 -42.856,-59.256 -40.327,-56.727 v1(-38.8,-56.727) ; v1(-38.8,-53.6) -36.841,-51.641 IC4.18@-34.371,-51.641
  Bottom Layer w0.254: v1(-39.4,-87.7) -39.335,-87.765 -38.592,-87.765 RR3.1@-36.86,-86.033 ; v1(-38.8,-56.727) v1(-38.8,-53.6)
NetIC4_23: IC4.23 R21.1 | length 5
  Top Layer w0.5: IC4.23@-34.371,-48.391 -34.346,-48.416 -33.384,-48.416 -31.491,-50.309 R21.1@-31.491,-51.587
NetLED1_2: POWER.2 R1.1 | length 30.2
  Top Layer w0.254: R1.1@-10.72,-65.64 -10.72,-66.551 -10.428,-66.843 v1(-0.343,-66.843) ; POWER.2@-1.576,-84.884 -1.576,-84.534 -0.953,-83.911 -0.603,-83.911 -0.386,-83.694 v1(-0.386,-79.714)
  Bottom Layer w0.254: v1(-0.386,-79.714) -0.343,-79.671 v1(-0.343,-66.843)
VCC: C14.1 C15.1 C16.2 D1.2 D2.2 IC3.5 IC5.2 IC5.12 IC5.15 IC6.2 IC6.12 IC6.15 IC8.2 IC8.12 IC8.15 IC9.2 IC9.12 IC9.15 J14.- R2.2 R4.2 R5.2 R6.2 R7.2 R8.2 R9.2 R10.2 R11.2 R12.2 R13.2 R14.2 R17.2 R22.2 VCC_TP.1 | length 113.7
  Top Layer w0.254: IC8.12@-38.695,-62.065 -38.695,-66.6 -38.546,-66.748 -33.054,-66.748 ; IC8.15@-36.52,-62.94 -36.52,-65.405 -36.371,-65.554 -33.054,-65.554 ; -35.4,-31.609 -36.5,-32.709 -36.5,-35.828 -34.761,-37.567 -33.747,-37.567 -33.599,-37.715 -33.599,-37.74 -33.551,-37.788 IC6.2@-33.201,-37.788 ; IC8.2@-34.995,-61.415 -33.385,-61.415 -33,-61.8 -33,-68 ; -31.7,-31.6 -31.676,-31.624 IC6.15@-31.676,-36.263 ; -29.8,-31.575 -29.8,-37.09 -29.752,-37.138 IC6.12@-29.501,-37.138 ; -26.9,-68 -26.854,-67.954 -26.854,-65.9 ; IC9.12@-26.45,-61.965 -26.8,-61.965 -26.848,-62.013 -26.848,-62.156 -26.854,-62.162 -26.854,-65.9 ; IC9.15@-24.275,-62.84 -24.275,-65.375 -24.8,-65.9 -26.854,-65.9 ; IC9.2@-22.75,-61.315 -22.702,-61.363 -22.12,-61.363 -21.971,-61.512 -21.971,-67.971 -22,-68 ; -22.555,-29.345 -21.4,-30.5 -21.4,-37.922 -21.251,-38.071 IC5.2@-18.462,-38.071 ; IC5.15@-16.937,-36.546 -16.889,-36.498 -16.889,-35.289 -13.8,-32.2 -13.8,-31.553 ; IC5.12@-14.762,-37.421 -14.762,-35.262 -12.2,-32.7 -12.2,-31.823 ; -10.7,-31.5 -10.7,-32.8 -5.2,-38.3 -5.2,-40.285 -5.327,-40.412 -5.327,-40.537 -5.5,-40.71 D2.2@-5.625,-40.71 ; 3.9,-33 5.249,-31.651 D1.2@5.249,-30.739
  Top Layer w0.5: -4.933,-29.277 -0.677,-29.277 1.11,-27.49 R22.2@1.11,-23.4 ; 1.1,-30.6 1.4,-30.6
  other v1: 4.5,-76 6,-76 5.25,-74.5 6.75,-74.5 4.5,-73 6,-73 5.25,-71.5 6.75,-71.5 4.5,-70 6,-70 5.25,-68.5 6.75,-68.5 4.5,-67 6,-67 5.25,-65.5 6.75,-65.5 4.5,-64 6,-64 5.25,-62.5 6.75,-62.5 4.5,-61 6,-61 -16.6,-60.2 -15.8,-60.2 -15,-60.2 -14.2,-60.2 -13.4,-60.2 5.25,-59.5 6.75,-59.5 -17.2,-59.4 -17.2,-58.6 -11.9,-58.5 -7.4,-58.2 -6.8,-58.2 4.5,-58 6,-58 -17.2,-57.8 -9.5,-57.8 -11.9,-57.7 5.25,-56.5 6.75,-56.5 4.5,-55 6,-55 5.25,-53.5 6.75,-53.5 4.5,-52 6,-52 5.25,-50.5 6.75,-50.5 4.5,-49 6,-49 5.25,-47.5 6.75,-47.5 4.5,-46 6,-46 5.25,-44.5 6.75,-44.5 4.5,-43 6,-43 5.25,-41.5 6.75,-41.5 4.5,-40 6,-40 5.25,-38.5 6.75,-38.5 4.5,-37 6,-37 5.25,-35.5 4.5,-34
pads on no net: FAN1.3 FAN1.4 FAN2.3 FAN2.4 IC1.2 IC1.7 IC4.19 IC4.20 IC4.21 IC4.22 IC5.8 IC5.9 IC5.10 IC5.13 IC6.8 IC6.9 IC6.10 IC6.13 IC7.7 IC8.8 IC8.9 IC8.10 IC8.13 IC9.8 IC9.9 IC9.10 IC9.13 J13.8 J14.8 J18-0.1A.6 J18-0.1A.7 J19-0.1A.6 J19-0.1A.7 J20-0.1A.6 J20-0.1A.7 U1.3 U1.4

## Polygon pours and split planes (outlines as drawn)
GND on Bottom Layer "NONET_L-01_P-001" (solid, pour order 78): -75,1.9 -72.7,4.2 38,4.2 38,-99.1 34.4,-95.5 -75,-95.5
5V_OUT on Bottom Layer "5V_OUT_L02_P074" (solid, pour order 74): -12.9,-44.7 -12.6,-44.4 -11.4,-44.4 -11.4,-53.885 -12.723,-53.885 -12.9,-53.708
5V_OUT on Bottom Layer "5V_OUT_L02_P071" (solid, pour order 71): -8.3,-47.4 -12.1,-47.4 -12.4,-47.7 -12.4,-51 -12.1,-51.3 -6.5,-51.3
5V_OUT on Bottom Layer "5V_OUT_L02_P068" (solid, pour order 68): -8.3,-47.4 -8.3,-49.5 -6.5,-51.3 -2,-51.3 -0.4,-49.7 -0.4,-47.4
VCC on Bottom Layer "VCC_L02_P067" (solid, pour order 67): -17.4,-57.4 -17.6,-57.6 -17.6,-60.8 -12.2,-60.8 -12.2,-59.8 -12,-59.3 -11.84,-58.9 -10,-58.9 -9,-57.9 -7.7,-57.9 -7.7,-58.5 -6.5,-58.5 -6.5,-57.4 -17.1,-57.4
VCC on Bottom Layer "VCC_L02_P040" (solid, pour order 40): 3.2,-32.1 8,-36.9 8,-76.7 3.9,-76.7 3.2,-76 3.2,-75.9
NetF1_2 on Top Layer "tga" (solid, pour order 22): 9.1,-56.8 10.3,-55.6 25.7,-55.6 26.9,-56.8 26.9,-66.047 24.947,-68 11.1,-68 9.1,-66
GND on Top Layer "GND_L01_P010" (solid, pour order 10): -0.5,-46.9 -9,-46.9 -9,-49.8 -6.535,-52.265 -6.535,-57.2 -8.3,-57.2 -10.8,-54.7 -10.8,-44.6 -10.2,-44 -1,-44 -0.5,-44.5
VCC on Top Layer "VCC_L01_P036" (solid, pour order 36): -10.4,-31.7 -10,-31.7 3.2,-44.9 8,-44.9 8,-36.9 -6.6,-22.3
GND on Top Layer "GND_L01_P076" (solid, pour order 76): 5.9,-81.7 5.9,-81.2 6.3,-80.8 7.3,-80.8 26,-80.8 26,-89.2 23.1,-92.1 5.8,-92.1
NetF1_1 on Top Layer "tga" (solid, pour order 21): 9.3,-32.8 10.3,-31.8 26.1,-31.8 27.1,-32.8 27.1,-43.2 25.7,-44.6 10.6,-44.6 9.3,-43.3
VCC on Top Layer "VCC_L01_P031" (solid, pour order 31): -40.5,-21.9 -41.3,-22.7 -41.3,-30.9 -40.4,-31.8 -6.2,-31.8 -6.2,-22.7 -7,-21.9
5V_OUT on Top Layer "5V_OUT_L01_P073" (solid, pour order 73): -11.4,-41.7 -11.4,-54 -12.671,-54 -13.4,-52.75 -12.9,-52.05 -12.9,-43.2
VCC on Top Layer "VCC_L01_P026" (solid, pour order 26): 25.5,-69.1 26.5,-70.1 26.8,-70.1 26.8,-79.1 25.8,-80.1 7.3,-80.1 4.5,-77.3 7.9,-67.9 9.1,-69.1
VCC on Top Layer "VCC_L01_P018" (solid, pour order 18): -12.797,-68.4 -10.8,-68.4 -12.198,-67.002 -12.204,-59.87 -11.8,-58.8 -11.8,-57.4 -17.4,-57.4 -17.6,-57.6 -17.6,-67.184 -18.918,-68.4 -17.6,-68.4
VCC on Top Layer "NONET_L01_P027" (solid, pour order 27): 7.869,-67.9 7.869,-77.506 -40.806,-77.494 -41.731,-76.569 -41.731,-69.797 -40.285,-67.9
VCC on Top Layer "VCC_L01_P016" (solid, pour order 16): -7.65,-58.55 -7.65,-57.9 -9,-57.9 -9.95,-58.85 -12,-58.85 -12,-57.45 -8.35,-57.45 -6.5,-57.45 -6.5,-58.55
NetC13_2 on Top Layer "NETC13_2_L01_P005" (solid, pour order 5): -6.3,-57.7 -6.3,-53.3 -2.3,-53.3 -2.3,-57.1 -2.9,-57.7
VCC on Top Layer "VCC_L01_P033" (solid, pour order 33): 7.983,-69.6 1.5,-69.6 1.5,-69.3 3.2,-67.6 3.2,-42.5 7.7,-42.5 8,-42.8
GND on Top Layer "GND_L01_P025" (solid, pour order 25): 6.449,-21.901 5.8,-22.55 5.8,-29.05 6.5,-29.75 26.7,-29.75 27.2,-29.25 27.2,-22.65 26.352,-21.802
GND on Top Layer "GND_L01_P013" (solid, pour order 13): -6.8,-57.2 -17.6,-57.131 -17.6,-55.6 -17.1,-55.1 -11.4,-55.1 -10.377,-54.223
5V_OUT on Top Layer "5V_OUT_L01_P006" (solid, pour order 6): -8.3,-47.2 -8.3,-49.5 -6.5,-51.3 -2,-51.3 -0.4,-49.7 -0.4,-47.2

## Silkscreen, mask and mechanical layers (free items; w line width, h text height)
Top Overlay:
  lines w0.254: -65.1,-72.8 -62.8,-70.5 ; -65.1,-70.534 -62.8,-68.234 ; -65.1,-68.268 -62.8,-65.968 ; -65.1,-66.003 -62.8,-63.703 ; -65.1,-63.737 -62.8,-61.437 ; -65.1,-61.471 -62.8,-59.171 ; -65.1,-59.205 -62.8,-56.905 ; -65.1,-56.939 -62.8,-54.639 ; -65.1,-54.674 -62.8,-52.374 ; -65.1,-52.408 -62.8,-50.108 ; -65.1,-50.142 -62.8,-47.842 ; -65.1,-47.876 -62.8,-45.576 ; -65.1,-45.611 -62.8,-43.311 ; -65.1,-43.345 -62.8,-41.045 ; -65.1,-41.079 -62.8,-38.779 ; -65.1,-38.813 -62.8,-36.513 ; -65.1,-36.547 -62.8,-34.247 ; -65.1,-34.282 -62.8,-31.982 ; -65.1,-32.016 -62.8,-29.716 ; -65.1,-29.75 -62.8,-27.45 ; -65,-72.8 -62.7,-72.8 -62.7,-27.5 -62.8,-27.4 -65,-27.4 ; -56,-34.9 -55,-34.9 -53.4,-34.9 ; -55.9,-33.6 -53.4,-33.6 ; -55.9,-32.4 -53.4,-32.4 ; -55.9,-31.1 -53.4,-31.1 ; -55.9,-29.9 -55.2,-29.9 -55.1,-29.9 -53.4,-29.9 ; -54.8,-42.2 -46.7,-42.2 ; -54.787,-45.785 -46.75,-45.785 ; -54.7,-57.665 -46.75,-57.665 ; -54.7,-53.705 -46.75,-53.705 ; -54.7,-49.745 -46.75,-49.745 ; -25.4,-86 -23.4,-86 ; -25.4,-83.5 -23.4,-83.5 ; -25.4,-19.1 -24.2,-19.1 ; -25.4,-16.6 -24.2,-16.6 ; -25.3,-80.9 -23.4,-80.9 ; -25.3,-14 -24.2,-14
  text "F2-4" at 10.754,-12.446 h0.8
  text "S" at -23.846,-14.546 h1
  text "V+" at -23.846,-17.146 h1
  text "GND" at -23.846,-19.546 h1
  text "Kelpie Main Board" at -62.721,-25.67 h2 r36.92
  text "Kimberley Gunawan" at -61.409,-26.189 h1 r37.67
  text "William Li" at -58.201,-26.201 h1 r37.67
  text "Cian Rodriguez" at -60.009,-26.389 h1 r37.67
  text "GND" at -55.35,-29.7 h0.8
  text "SCL" at -55.4,-30.9 h0.8
  text "SDA" at -55.4,-32.1 h0.8
  text "3V3" at -55.4,-33.4 h0.8
  text "5V" at -55.4,-34.7 h0.8
  text "TP" at -63.9,-39.317 h0.8 r45
  text "5V" at -54.746,-41.746 h1
  text "0287035. LF" at 23.554,-44.854 h1 r270
  text "3V3" at -54.846,-45.346 h1
  text "SDA" at -54.746,-51.446 h1
  text "SCL" at -54.746,-55.146 h1
  text "TP" at -63.9,-55.217 h0.8 r45
  text "GND" at -54.646,-59.146 h1
  text "TP" at -63.9,-71.117 h0.8 r45
  text "GND" at -22.946,-81.346 h1
  text "V+" at -22.946,-84.146 h1
  text "S" at -22.946,-86.446 h1
  text "Rev 1.0" at -3.646,-89.046 h1.25
Bottom Overlay:
  drawing of 251 lines, arcs and shapes, not listed
  text "J15, J16 max cont. current 6A TOTAL.  / J18, J19, J20 max cont. current 100mA TOTAL" at -64.9,-63.5 h2 r270
  text "\"This might burn your house down but its not going to kill you\"" at 7.291,-76.627 h4 r270

## Text inside footprints (layer, text, board x,y; h text height)
J13: Top Overlay "-" at 23.53,-27.78 h1.5; Top Overlay "+" at 23.63,-35.03 h1.5; Top Overlay "M" at 23.687,-31.496 h1.5; Mechanical 1 "PCB Edge" at 27.63,-32.28 h0.5 r90
J14: Top Overlay "+" at 24.3,-66.05 h1.5; Top Overlay "-" at 24.25,-73.7 h1.5; Top Overlay "F" at 24.365,-70.166 h1.5; Mechanical 1 "PCB Edge" at 27.8,-70.95 h0.5 r90